# Altium PCB ESP32 V1.0.PcbDoc (part 1 of 2) (continued)
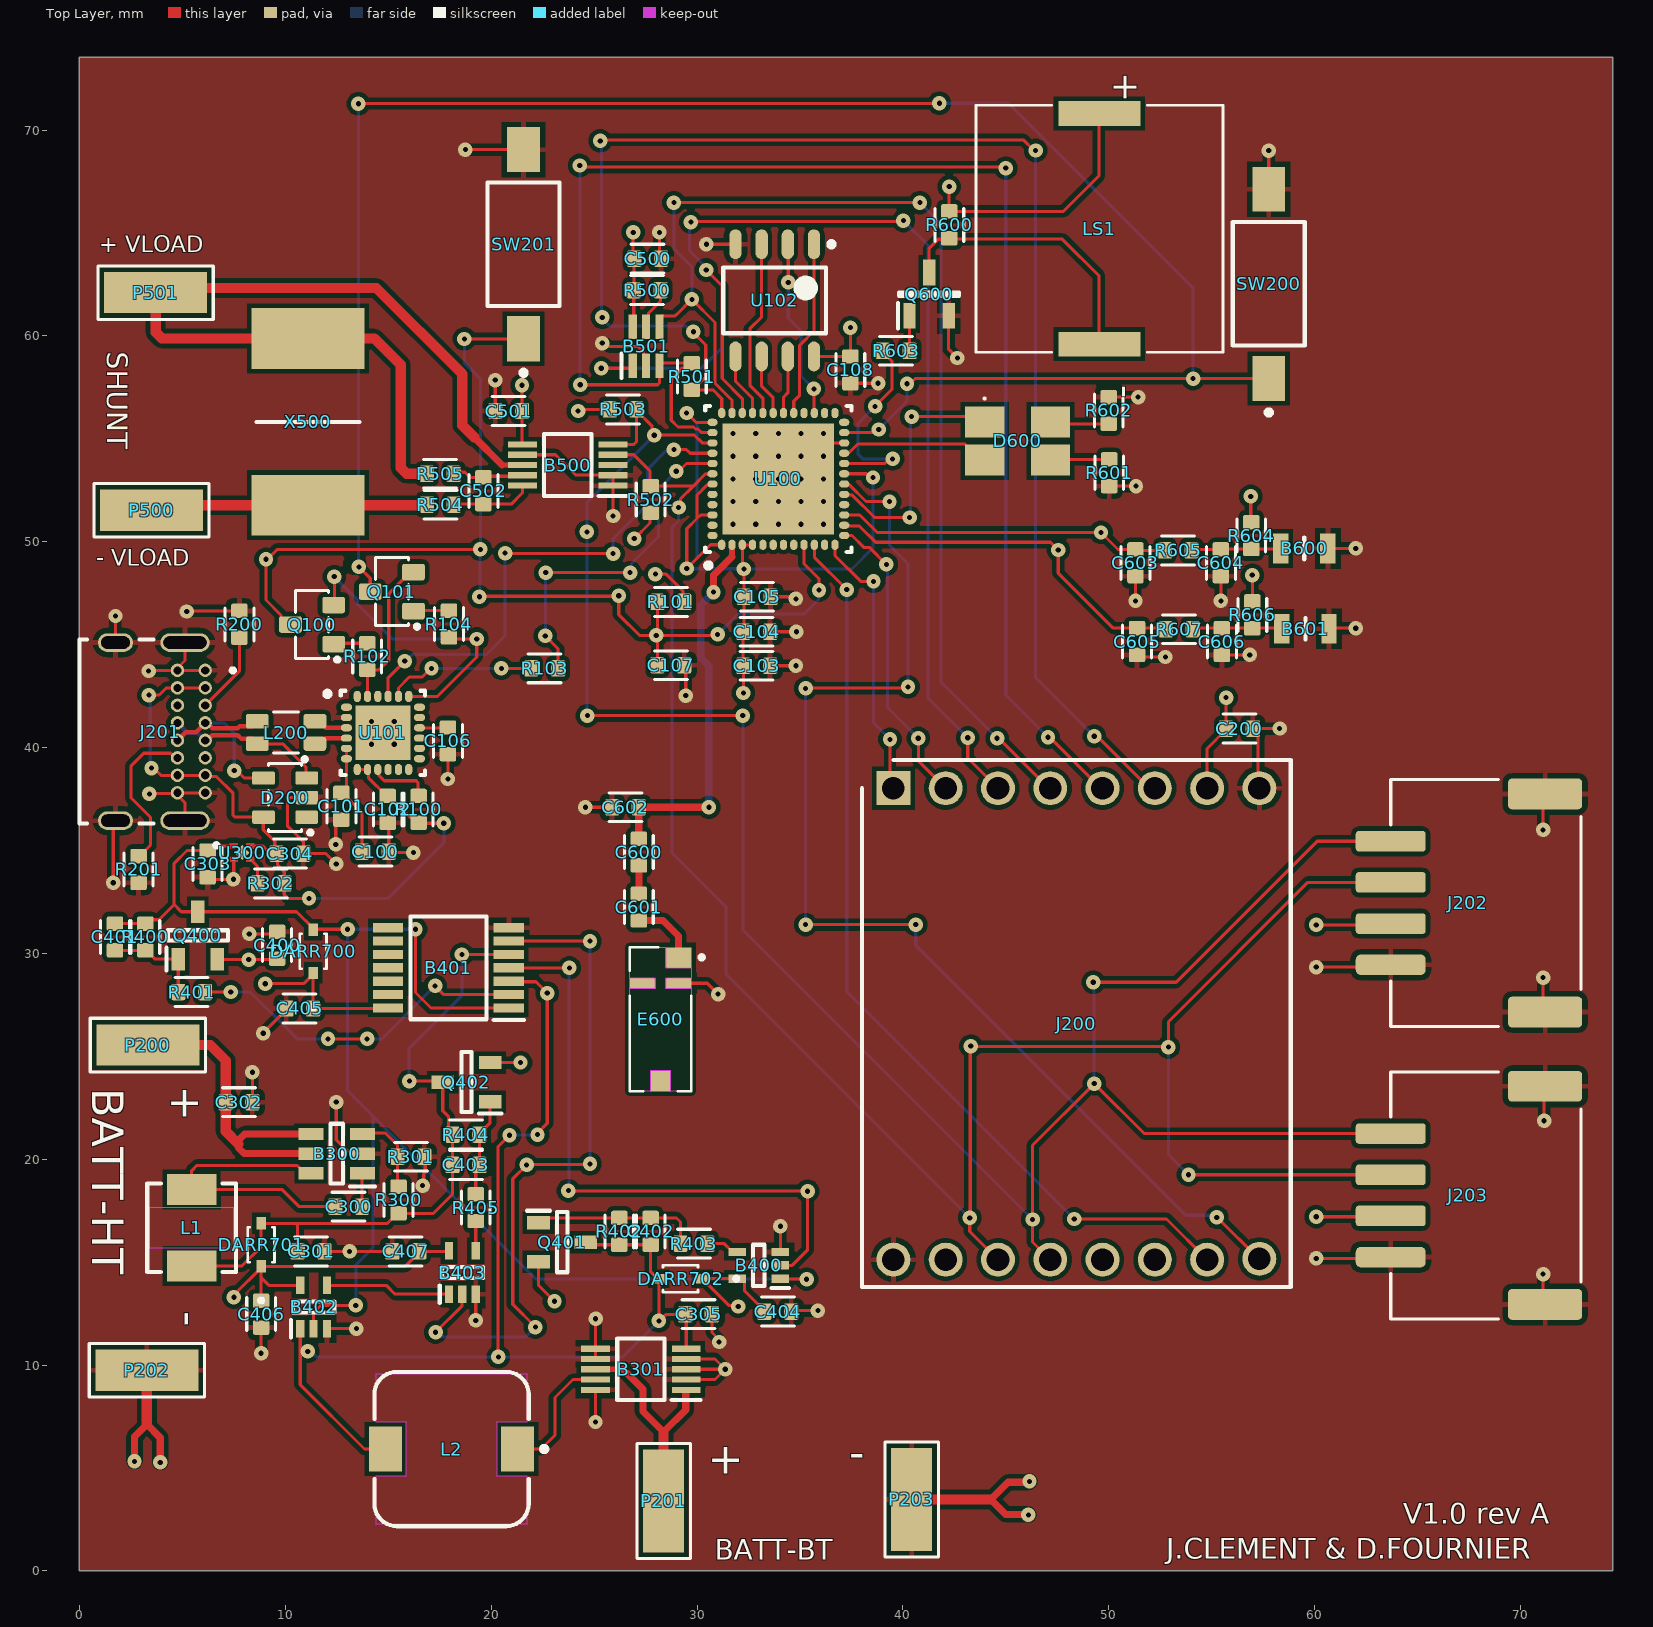
[diagram p0: Top Layer view]
## Design rules (kind name [scope] priority, off if disabled: settings) (continued)
DiffPairsRouting USB_D [InDifferentialPair('USB_D')] p5: maxlimit=0.127 minlimit=0.127 mostfreqgap=0.127 toplayer_minwidth=0.22 toplayer_maxwidth=0.22 toplayer_prefwidth=0.303 midlayer1_minwidth=0.136 midlayer1_maxwidth=0.136 midlayer1_prefwidth=0.109 midlayer2_minwidth=0.136 midlayer2_maxwidth=0.136 midlayer2_prefwidth=0.109 bottomlayer_minwidth=0.22 bottomlayer_maxwidth=0.22 bottomlayer_prefwidth=0.303 impedanceprofiledriven=TRUE impedanceprofileid={DF887FBB-0525-43FE-B3DD-DE2D58ABDB32} impedanceprofilevalue=90.000000 maxuncoupledlength=12.7
DiffPairsRouting USB_FLT [InDifferentialPair('USB_FLT')] p6: maxlimit=0.127 minlimit=0.127 mostfreqgap=0.127 toplayer_minwidth=0.22 toplayer_maxwidth=0.22 toplayer_prefwidth=0.303 midlayer1_minwidth=0.136 midlayer1_maxwidth=0.136 midlayer1_prefwidth=0.109 midlayer2_minwidth=0.136 midlayer2_maxwidth=0.136 midlayer2_prefwidth=0.109 bottomlayer_minwidth=0.22 bottomlayer_maxwidth=0.22 bottomlayer_prefwidth=0.303 impedanceprofiledriven=TRUE impedanceprofileid={DF887FBB-0525-43FE-B3DD-DE2D58ABDB32} impedanceprofilevalue=90.000000 maxuncoupledlength=12.7
MinimumSolderMaskSliver [All] p1: minsoldermaskwidth=0
PolygonConnect [All] p1: thpad.connectstyle=Relief thpad.reliefconductorwidth=0.254 thpad.reliefentries=4 thpad.polygonreliefangle="90 Angle" thpad.airgapwidth=0.254 smdpad.connectstyle=Relief smdpad.reliefconductorwidth=0.254 smdpad.reliefentries=4 smdpad.polygonreliefangle="90 Angle" smdpad.airgapwidth=0.254 via.connectstyle=Direct via.reliefconductorwidth=0.254 via.reliefentries=4 via.polygonreliefangle="90 Angle" via.airgapwidth=0.254
RoutingVias [All] p1: holewidth=0.711 width=1.27 viastyle="Through Hole" minholewidth=0.711 minwidth=1.27 maxholewidth=0.711 maxwidth=1.27
SilkToSolderMaskClearance [IsPad vs OnLayer('Top Layer')] p1: minsilkscreentomaskgap=0.102 clearancetoexposedcopper=TRUE
SolderMaskExpansion [All] p1: expansion=0.102 istentingtop=FALSE
Width "Schematic Width Constraint_1" [InNet('NetC600_1')] p1: maxlimit=0.36 minlimit=0.198 preferedwidth=0.296 toplayer_minwidth=0.36 toplayer_prefwidth=0.349 impedanceprofiledriven=TRUE impedanceprofileid={15CEEDF2-C7AA-4791-91C4-A7D5C5B134E5} impedanceprofilevalue=50.000000 minimp=50.000000 maximp=50.000000 favimp=50.000000
Width "Schematic Width Constraint" [InNet('NetC601_1')] p2: maxlimit=0.341 minlimit=0.248 preferedwidth=0.623 toplayer_minwidth=0.341 midlayer2_maxwidth=0.248 midlayer2_prefwidth=0.351 bottomlayer_minwidth=0.341 impedanceprofiledriven=TRUE impedanceprofileid={52FF2EAA-2482-4790-9ADB-94EA02F32BD3} impedanceprofilevalue=50.000000 minimp=50.000000 maximp=50.000000 favimp=50.000000
Width RF [(InNet('NetB200_1') OR InNet('NetC109_1'))] p3: maxlimit=0.349 minlimit=0.198 preferedwidth=0.341 toplayer_minwidth=0.254 toplayer_prefwidth=0.349 impedanceprofiledriven=TRUE impedanceprofileid={15CEEDF2-C7AA-4791-91C4-A7D5C5B134E5} impedanceprofilevalue=50.000000 minimp=50.000000 maximp=50.000000 favimp=50.000000 checkconnectedcopper=TRUE
Width [All] p4: maxlimit=0.5 minlimit=0.15 preferedwidth=0.15 minimp=50.000000 maximp=50.000000 favimp=50.000000
27 further rules are at their usual default settings.

## Classes and differential pairs
component class alim_logique_hard: DARR700 DARR701 DARR702
component class mesure_&_acquisition: B500 B501 C500 C501 C502 P500 P501 R500 R501 R502 R503 R504 R505 X500
component class logique_hardware: B400 B401 B402 B403 C400 C401 C402 C403 C404 C405 C406 C407 Q400 Q401 Q402 R400 R401 R402 R403 R404 R405
component class hmi: B600 B601 C600 C601 C602 C603 C604 C605 C606 D600 E600 LS1 Q600 R600 R601 R602 R603 R604 R605 R606 R607
component class alimentation: B300 B301 C300 C301 C302 C303 C304 C305 L1 L2 R300 R301 R302 U300
component class connecteurs: C200 D200 J200 J201 J202 J203 L200 P200 P201 P202 P203 R200 R201 SW200 SW201
component class microcontroleur: C100 C101 C102 C103 C104 C105 C106 C107 C108 Q100 Q101 R100 R101 R102 R103 R104 U100 U101 U102
differential pair USB_FLT: +USB_FLT_P -USB_FLT_N
differential pair USB_D: +USB_D_P -USB_D_N

## Components (designator, comment, footprint, x,y, rotation, side; value= is the part's Value field where it differs from the comment)
B300 "LMR50410Y3FQDBVRQ1" SOT95P280X145-6N 12.5,20.275 r180 top
B301 "TPS62056DGSG4" SOP50P490X110-10N 27.275,9.8 r180 top
B400 "MC74VHC1GT32DFT1G" SOT65P210X110-5N 33,14.85 r180 top
B401 "74VHC05FT" SOP65P640X120-14N 17.925,29.3 r180 top
B402 "MC74VHC1GT32DFT1G" SOT65P210X110-5N 11.375,12.825 r90 top
B403 "MC74VHC1GT32DFT1G" SOT65P210X110-5N 18.6,14.5 r90 top
B500 "INA237AIDGST" SOP50P490X110-10N 23.725,53.725 r180 top
B501 "TMP126DCKR" SOT65P210X110-6N 27.525,59.5 r90 top
B600 "NB12K00103JBB" RESC2212X50N 59.5,49.675 r0 top
B601 "NB12K00103JBB" RESC2212X50N 59.55,45.775 r0 top
C100 "1uF" CAPA_0603 14.375,34.95 r0 top
C101 "0.1uF" CAPA_0603 12.725,37.15 r270 top
C102 "1uF" CAPA_0603 14.975,37 r270 top
C103 "1uF" CAPA_0603 32.9,43.975 r0 top
C104 "0.1uF" CAPA_0603 32.9,45.625 r0 top
C105 "1nF" CAPA_0603 32.925,47.325 r0 top
C106 "4.7uF" CAPA_0603 17.9,40.325 r270 top
C107 "1uF" CAPA_0603 28.725,44 r0 top
C108 "0.1uF" CAPA_0603 37.45,58.35 r270 top
C200 "100nF" CAPA_0603 56.35,40.925 r0 top
C300 "0.1uF" CAPA_0603 13.075,17.7 r0 top
C301 "10uF" CAPA_0603 11.25,15.525 r0 top
C302 "2.2uF" CAPA_0603 7.75,22.775 r0 top
C303 "1uF" CAPA_0603 6.225,34.35 r270 top
C304 "1uF" CAPA_0603 10.225,34.85 r0 top
C305 "22uF" CAPA_0603 30.075,12.475 r0 top
C400 "5mF" CAPA_0603 9.6,30.4 r90 top
C401 "100nF" CAPA_0603 1.725,30.8 r270 top
C402 "100nF" CAPA_0603 27.75,16.5 r90 top
C403 "100nF" CAPA_0603 18.775,19.725 r0 top
C404 "100nF" CAPA_0603 33.925,12.6 r0 top
C405 "100nF" CAPA_0603 10.7,27.325 r180 top
C406 "100nF" CAPA_0603 8.825,12.475 r270 top
C407 "100nF" CAPA_0603 15.85,15.525 r180 top
C500 "0.1uF" CAPA_0603 27.6,63.75 r0 top
C501 "100nF" CAPA_0603 20.85,56.35 r180 top
C502 "100nF" CAPA_0603 19.625,52.475 r90 top
C600 "0.6pF" CAPA_0603 27.175,34.925 r270 top
C601 "0.9pF" CAPA_0603 27.175,32.25 r90 top
C602 "1.0pF" CAPA_0603 26.525,37.1 r180 top
C603 "47nF" CAPA_0603 51.3,48.975 r270 top
C604 "47nF" CAPA_0603 55.45,48.975 r270 top
C605 "47nF" CAPA_0603 51.375,45.15 r270 top
C606 "47nF" CAPA_0603 55.5,45.15 r270 top
D200 "824011" SOT23-5 9.99,37.57 r90 top
D600 "598-8610-207F" 5988610207F 45.575,54.9 r0 top
DARR700 "SD103AWS-7-F" SD103AWS-7-F 11.35,30.1 r90 top
DARR701 "SD103AWS-7-F" SD103AWS-7-F 8.825,15.85 r90 top
DARR702 "SD103AWS-7-F" SD103AWS-7-F 29.2,14.2 r180 top
E600 "NN03-320" XCVR_NN03-320 28.225,26.8 r90 top
J200 "825433-8" Connect-Mikrobus 39.54,38.025 r0 top
J201 "Connecteur USB" USB4085-GF-A 1.75,40.775 r270 top
J202 "114020164" 114020164 67.5,32.45 r90 top
J203 "114020164" 114020164 67.5,18.25 r90 top
L1 "3.3uH, 3.5A" WE-LHMI_4020 5.45,16.675 r270 top
L2 "10uH, 2A" WE-PD_7345 18.075,5.925 r180 top
L200 "Filtre en mode commun" WE-CNSW-1206 10.04,40.73 r180 top
LS1 "PKLCS1212E40A1-R1" SPKR_PKLCS1212E40A1-R1 49.55,65.2 r270 top
P200 "Plage CMS 10x5" "Plage CMS 10x5" 3.325,25.55 r180 top
P201 "Plage CMS 10x5" "Plage CMS 10x5" 28.375,3.4 r90 top
P202 "Plage CMS 10x5" "Plage CMS 10x5" 3.275,9.75 r0 top
P203 "Plage CMS 10x5" "Plage CMS 10x5" 40.425,3.475 r90 top
P500 "Plage CMS 10x5" "Plage CMS 10x5" 3.5,51.525 r180 top
P501 "Plage CMS 10x5" "Plage CMS 10x5" 3.7,62.1 r180 top
Q100 "SS8050-G" SS8050-G 11.3,45.975 r90 top
Q101 "SS8050-G" SS8050-G 15.175,47.575 r90 top
Q400 "FDV304P" SOT95P251X112-3N 5.75,30.875 r90 top
Q401 "FDV304P" SOT95P251X112-3N 23.45,15.975 r0 top
Q402 "FDV304P" SOT95P251X112-3N 18.8,23.75 r180 top
Q600 "2N7002KT1G" SOT96P237X111-3N 41.275,62.025 r90 top
R100 "4.7K" RES_0603 16.475,37 r270 top
R101 "10K" RES_0603 28.725,47.075 r0 top
R102 "10K" RES_0603 13.975,44.425 r270 top
R103 "510R" RES_0603 22.6,43.85 r0 top
R104 "10K" RES_0603 17.95,46 r270 top
R200 "5K1" RES_0603 7.77,45.99 r270 top
R201 "5K1" RES_0603 2.87,34.08 r90 top
R300 "51K" RES_0603 15.5,18.025 r270 top
R301 "22.1K" RES_0603 16.1,20.125 r180 top
R302 "100k" RES_0603 9.3,33.4 r0 top
R400 "100K" RES_0603 3.2,30.8 r90 top
R401 "10K" RES_0603 5.45,28.125 r180 top
R402 "100K" RES_0603 26.225,16.5 r270 top
R403 "10K" RES_0603 29.85,15.9 r180 top
R404 "100K" RES_0603 18.775,21.2 r180 top
R405 "10K" RES_0603 19.25,17.65 r90 top
R500 "10K" RES_0603 27.575,62.225 r180 top
R501 "10K" RES_0603 29.75,58.025 r90 top
R502 "2K" RES_0603 27.75,52.05 r90 top
R503 "2K" RES_0603 26.411,56.425 r0 top
R504 "10R" RES_0603 17.532,51.802 r180 top
R505 "10R" RES_0603 17.525,53.3 r180 top
R600 "1K" RES_0603 42.258,65.395 r90 top
R601 "150R" RES_0603 50.025,53.35 r90 top
R602 "150R" RES_0603 50,56.375 r270 top
R603 "1K" RES_0603 39.675,59.275 r0 top
R604 "10K" RES_0603 56.925,50.3 r90 top
R605 "5.1K" RES_0603 53.375,49.575 r0 top
R606 "10K" RES_0603 56.975,46.45 r90 top
R607 "5.1K" RES_0603 53.425,45.75 r0 top
SW200 "FSMSM" TECO-FSMSM-2_V 57.775,62.525 r90 top
SW201 "FSMSM" TECO-FSMSM-2_V 21.575,64.45 r90 top
U100 "ESP32-PICO-D4" PQFN50P700X700X104_HS-49N 33.95,53.05 r90 top
U101 "CP2104-F03-GM" PQFN50P400X400X80_HS-25N 14.745,40.71 r0 top
U102 "IS66WVS1M8BLL-104NLI" SOIC127P600X175-8N 33.775,61.725 r270 top
U300 "NCP167BMX330TBG" NCP167BMX330TBG 7.9,34.9 r0 top
X500 "PSR400ITQFF0L50" RESC10052X200N 11.1,55.825 r270 top

## Footprints (in the part's own frame and the unit in brackets; to place one, negate y for a bottom-side part, rotate by r counter-clockwise, add the part's x,y. Pads: shape width x height; smd on the part's side, far side on the other; paste and mask are expansions set on the pad)
114020164 [mm]
  rrect50% 1x3.4 smd: 1(-3,3.8)
  rrect30% 1x3.4 smd: 2(-1,3.8) 3(1,3.8) 4(3,3.8)
  rrect26% 1.5x3.6 smd: MP1(-5.3,-3.7) MP2(5.3,-3.7)
  silkscreen extent -6,-5.45 6,3.8, body extent -6.1,-5.59 5.9,4.59, height 5.2
5988610207F [mm]
  rect 1.9x1.5 smd: 1(-1.6,0.925) 2(1.6,0.925) 3(-1.6,-0.925) 4(1.6,-0.925)
  silkscreen extent -1.65,2 -1.55,2.1, body extent -1.6,-1.35 1.6,1.35, height 0.9
CAPA_0603 [mm]
  rrect25% 0.7x0.8 smd paste+0 mask+0.075: 1(-0.65,0) 2(0.65,0)
  silkscreen extent -0.8,-0.7 0.8,0.7, body extent -1,-0.4 1,0.4, height 0.9
Connect-Mikrobus [mm]
  rect 1.65x1.65 / inner round 1.65 / far side rect 1.65x1.65 hole 1.1: 1(0,0)
  round 1.65 hole 1.1: 2(2.54,0) 3(5.08,0) 4(7.62,0) 5(10.16,0) 6(12.7,0) 7(15.24,0) 8(17.78,0) 9(17.78,-22.86) 10(15.24,-22.9) 11(12.7,-22.9) 12(10.16,-22.9) 13(7.62,-22.9) 14(5.08,-22.9) 15(2.54,-22.9) 16(0,-22.9)
  silkscreen extent -1.52,-24.22 19.3,1.37, body extent -1.37,-24.18 19.14,1.28, height 6.7
NCP167BMX330TBG [mm] "Régulateurs de tension LDO LDO 700 MA ULTRA-LOW NOISE 3.3V"
  rect 0.1x0.1 smd paste-1 mask+0: 1(-0.405,0.325) 2(-0.405,-0.325) 3(0.405,-0.325) 4(0.405,0.325)
  rect 0.52x0.52 smd rot 45 mask+0.05: 5(0,0)
  Top Layer region: -0.21,0.345 -0.36,0.195 -0.6,0.195 -0.6,0.455 -0.21,0.455
  Top Layer region: -0.21,-0.345 -0.21,-0.455 -0.6,-0.455 -0.6,-0.195 -0.36,-0.195
  Top Layer region: 0.6,-0.455 0.21,-0.455 0.21,-0.345 0.36,-0.195 0.6,-0.195
  Top Layer region: 0.6,0.195 0.36,0.195 0.21,0.345 0.21,0.455 0.6,0.455
  silkscreen extent -1.35,0.25 -1.15,0.45, body extent -0.5,-0.5 0.5,0.5, height 0.38
"Plage CMS 10x5" [mm] "Plage CMS 10x5"
  rect 5x2 smd paste-1 mask+0.15: 1(0,0)
  silkscreen extent -2.8,-1.3 2.8,1.3
PQFN50P400X400X80_HS-25N [mm] "PQFN, 24-Leads, Body 4,00x4,00mm, Pitch 0,50mm, Thermal Pad 2,65x2,65mm, IPC Medium Density"
  oval 0.55x0.35 smd: 1(-1.775,1.25) 2(-1.775,0.75) 3(-1.775,0.25) 4(-1.775,-0.25) 5(-1.775,-0.75) 6(-1.775,-1.25) 13(1.775,-1.25) 14(1.775,-0.75) 15(1.775,-0.25) 16(1.775,0.25) 17(1.775,0.75) 18(1.775,1.25)
  oval 0.35x0.55 smd: 7(-1.25,-1.775) 8(-0.75,-1.775) 9(-0.25,-1.775) 10(0.25,-1.775) 11(0.75,-1.775) 12(1.25,-1.775) 19(1.25,1.775) 20(0.75,1.775) 21(0.25,1.775) 22(-0.25,1.775) 23(-0.75,1.775) 24(-1.25,1.775)
  rect 2.65x2.65 smd: 25(0,0)
  silkscreen extent -2.82,-2.05 2.05,2.05, body extent -2.05,-2.05 2.05,2.05, height 0.8
PQFN50P700X700X104_HS-49N [mm] "PQFN, 48-Leads, Body 7,00x7,00mm, Pitch 0,50mm, Thermal Pad 5,40x5,40mm, IPC Medium Density"
  oval 0.5x0.35 smd: 1(-3.2,2.75) 2(-3.2,2.25) 3(-3.2,1.75) 4(-3.2,1.25) 5(-3.2,0.75) 6(-3.2,0.25) 7(-3.2,-0.25) 8(-3.2,-0.75) 9(-3.2,-1.25) 10(-3.2,-1.75) 11(-3.2,-2.25) 12(-3.2,-2.75) 25(3.2,-2.75) 26(3.2,-2.25) 27(3.2,-1.75) 28(3.2,-1.25) 29(3.2,-0.75) 30(3.2,-0.25) 31(3.2,0.25) 32(3.2,0.75) 33(3.2,1.25) 34(3.2,1.75) 35(3.2,2.25) 36(3.2,2.75)
  oval 0.35x0.5 smd: 13(-2.75,-3.2) 14(-2.25,-3.2) 15(-1.75,-3.2) 16(-1.25,-3.2) 17(-0.75,-3.2) 18(-0.25,-3.2) 19(0.25,-3.2) 20(0.75,-3.2) 21(1.25,-3.2) 22(1.75,-3.2) 23(2.25,-3.2) 24(2.75,-3.2) 37(2.75,3.2) 38(2.25,3.2) 39(1.75,3.2) 40(1.25,3.2) 41(0.75,3.2) 42(0.25,3.2) 43(-0.25,3.2) 44(-0.75,3.2) 45(-1.25,3.2) 46(-1.75,3.2) 47(-2.25,3.2) 48(-2.75,3.2)
  rect 5.4x5.4 smd: 49(0,0)
  silkscreen extent -4.32,-3.55 3.55,3.55, body extent -3.55,-3.55 3.55,3.55, height 1.04
RES_0603 [mm]
  rrect25% 0.7x0.8 smd paste+0 mask+0.075: 1(-0.65,0) 2(0.65,0)
  silkscreen extent -0.8,-0.7 0.8,0.7, body extent -1,-0.4 1,0.4, height 0.45
RESC2212X50N [mm]
  rect 0.75x1.45 smd: 1(-1.15,0) 2(1.15,0)
  silkscreen extent 0,-0.53 0,0.53, body extent -1.07,-0.63 1.07,0.63, height 0.5
RESC10052X200N [mm]
  rect 2.95x5.5 smd: 1(-4.05,0) 2(4.05,0)
  silkscreen extent 0,-2.5 0,2.5, body extent -5,-2.6 5,2.6, height 2
SD103AWS-7-F [mm]
  rect 0.6x0.46 smd: 1(-1.05,0) 2(1.05,0)
  silkscreen extent -2.81,-0.65 0.85,0.65, body extent -1.25,-0.65 1.25,0.65, height 1.2
SOIC127P600X175-8N [mm] "SOIC, 8-Leads, Body 4,90x3,90mm, Pitch 1,27mm, IPC Medium Density"
  oval 1.45x0.6 smd: 1(-2.725,1.905) 2(-2.725,0.635) 3(-2.725,-0.635) 4(-2.725,-1.905) 5(2.725,-1.905) 6(2.725,-0.635) 7(2.725,0.635) 8(2.725,1.905)
  silkscreen extent -2.85,-2.5 1.6,2.88, body extent -3,-2.5 3,2.5, height 1.75
SOP50P490X110-10N [mm]
  rect 1.4x0.3 smd: 1(-2.2,1) 2(-2.2,0.5) 3(-2.2,0) 4(-2.2,-0.5) 5(-2.2,-1) 6(2.2,-1) 7(2.2,-0.5) 8(2.2,0) 9(2.2,0.5) 10(2.2,1)
  silkscreen extent -2.9,-1.5 1.15,1.5, body extent -2.46,-1.5 2.46,1.5, height 1.06
SOP65P640X120-14N [mm]
  rect 1.475x0.45 smd: 1(-2.938,1.95) 2(-2.938,1.3) 3(-2.938,0.65) 4(-2.938,0) 5(-2.938,-0.65) 6(-2.938,-1.3) 7(-2.938,-1.95) 8(2.938,-1.95) 9(2.938,-1.3) 10(2.938,-0.65) 11(2.938,0) 12(2.938,0.65) 13(2.938,1.3) 14(2.938,1.95)
  silkscreen extent -3.67,-2.5 1.85,2.52, body extent -3.1,-2.75 3.3,2.75, height 1.1
SOT23-5 [mm]
  rrect25% 0.65x1.1 smd paste+0 mask+0.075: 1(-0.95,-1.05) 2(0,-1.05) 3(0.95,-1.05) 4(0.95,1.05) 5(-0.95,1.05)
  silkscreen extent -1.77,-1.3 1.65,0.8, body extent -1.45,-1.6 1.45,1.6, height 1.21
SOT65P210X110-5N [mm]
  rect 0.85x0.4 smd: 1(-1.05,0.65) 2(-1.05,0) 3(-1.05,-0.65) 4(1.05,-0.65) 5(1.05,0.65)
  silkscreen extent -1.48,-1 0.28,1.1, body extent -0.95,-1 1.15,1, height 1.1
SOT65P210X110-6N [mm]
  rect 1.2x0.4 smd: 1(-0.95,0.65) 2(-0.95,0) 3(-0.95,-0.65) 4(0.95,-0.65) 5(0.95,0) 6(0.95,0.65)
  silkscreen extent -1.55,1.2 -0.35,1.2, body extent -1.05,-1 1.05,1, height 1
SOT95P251X112-3N [mm]
  rect 1.1x0.65 smd: 1(-1.15,0.95) 2(-1.15,-0.95) 3(1.15,0)
  silkscreen extent -1.7,-1.46 0.25,1.53, body extent -1.25,-1.46 1.25,1.46, height 1.12
SOT95P280X145-6N [mm]
  rect 1.2x0.6 smd: 1(-1.25,0.95) 2(-1.25,0) 3(-1.25,-0.95) 4(1.25,-0.95) 5(1.25,0) 6(1.25,0.95)
  silkscreen extent -1.85,-1.45 0.3,1.6, body extent -1.4,-1.45 1.4,1.45, height 1.2
SOT96P237X111-3N [mm]
  rect 1.25x0.6 smd: 1(-1.05,0.955) 2(-1.05,-0.955) 3(1.05,0)
  silkscreen extent -1.68,-1.46 0.08,1.51, body extent -1.18,-1.46 1.18,1.46, height 1.11
SPKR_PKLCS1212E40A1-R1 [mm]
  rect 1.2x4 smd: N(5.6,0) P(-5.6,0)
  silkscreen extent -6,-6 6,6, body extent -6,-6 6,6, height 3
SS8050-G [mm]
  rrect25% 0.8x1.1 smd paste+0 mask+0.075: 1(-0.95,-1.05) 2(0.95,-1.05) 3(0,1.05)
  silkscreen extent -1.77,-1.3 1.65,0.8, body extent -1.5,-1.3 1.5,1.3, height 1.1
TECO-FSMSM-2_V [mm] "SMD, 2-Leads, Body 6x3.5mm, Pitch 9.19mm"
  rect 2.2x1.6 smd: 1(-4.595,0)
  rect 2.18x1.6 smd: 2(4.595,0)
  silkscreen extent -6.37,-1.75 3,1.75, body extent -4.98,-1.75 4.98,1.75, height 4.4
USB4085-GF-A [mm]
  round 0.65 hole 0.4: A1(-2.975,4.36) A4(-2.125,4.36) A5(-1.275,4.36) A6(-0.425,4.36) A7(0.425,4.36) A8(1.275,4.36) A9(2.125,4.36) A12(2.975,4.36) B1(2.975,3.01) B4(2.125,3.01) B5(1.275,3.01) B6(0.425,3.01) B7(-0.425,3.01) B8(-1.275,3.01) B9(-2.125,3.01) B12(-2.975,3.01)
  oval 0.9x1.7 hole 0.6 slot 1.4 at 90 deg: S1(-4.325,0) S2(4.325,0)
  oval 0.9x2.4 hole 0.6 slot 2.1 at 90 deg: S3(-4.325,3.38) S4(4.325,3.38)
  silkscreen extent -4.47,-1.74 4.47,5.8, body extent -4.47,-4.25 4.47,4.92, height 3.46
WE-CNSW-1206 [mm]
  rrect42% 1.1x0.7 smd paste+0 mask+0.075: 1(-1.4,0.55)
  rrect28% 1.1x0.7 smd paste+0 mask+0.075: 2(1.4,0.55) 3(1.4,-0.55) 4(-1.4,-0.55)
  silkscreen extent -1,-1 0.6,1.4, body extent -1.8,-1 1.8,1, height 2.1
WE-LHMI_4020 [mm] "SMT Power Inductor, 2-Leads, body 4.06x4.06mm"
  rect 1.5x2.4 smd: 1(-1.85,0) 2(1.85,0)
  Top Layer keep-out region: -1,2.03 1,2.03 1,-2.03 -1,-2.03
  silkscreen extent -2.15,-2.15 2.15,2.15, body extent -2.22,-2.03 2.23,2.03, height 1.8
WE-PD_7345 [mm] "SMT Shielded Power Inductor, 2-leads, body 7.3x7.3mm"
  rect 1.6x2.2 smd: 1(-3.2,0) 2(3.2,0)
  Top Layer keep-out region: -3.65,-3.65 -3.65,-1.3 -2.2,-1.3 -2.2,1.3 -3.65,1.3 -3.65,3.65 3.65,3.65 3.65,1.3 2.2,1.3 2.2,-1.3 3.65,-1.3 3.65,-3.65
  silkscreen extent -4.63,-3.75 3.75,3.75, body extent -3.65,-3.65 3.65,3.65, height 3.91
XCVR_NN03-320 [mm]
  rect 1x1 smd: 1(-3,0)
  rect 0.5x1.25 smd: 2(1.75,-0.875) 4(1.75,0.875)
  rect 1x1.25 smd: 3(3,-0.875)
  Keep-Out Layer region: 3.5,-0.25 2.5,-0.25 2.5,-1.5 2,-1.5 2,-0.25 1.5,-0.25 1.5,-1.5 -3.5,-1.5 -3.5,-0.5 -2.5,-0.5 -2.5,0.5 -3.5,0.5 -3.5,1.5 1.5,1.5 1.5,0.25 2,0.25 2,1.5 3.5,1.5
  silkscreen extent -3.5,-2.1 3.5,1.5, body extent -3.5,-1.5 3.5,1.5, height 2.02

## Part data
B300: "Régulateurs de tension de commutation Automotive qualified SIMPLE SWITCHER 4-V to 36-V, 1-A synchronous step-down converter 6-SOT-23 -40 to 150", Manufacturer_Name="Texas Instruments", Mouser Part Number=595-R50410Y3FQDBVRQ1, Manufacturer_Part_Number=LMR50410Y3FQDBVRQ1
B301: "TEXAS INSTRUMENTS - TPS62056DGSG4 - Synchronous Buck (Step Down) Switching Regulator, Fixed, 2.7V-10Vin, 3.3V/0.8A out, 850kHz, VSSOP-10", Manufacturer_Name="Texas Instruments", Mouser Part Number=595-TPS62056DGSG4, Manufacturer_Part_Number=TPS62056DGSG4
B400 B402 B403: "Single 2-Input OR Gate, TTL Level", Manufacturer_Name=onsemi, Mouser Part Number=863-C74VHC1GT32DFT1G, Manufacturer_Part_Number=MC74VHC1GT32DFT1G
B401: "Logic Gates CMOS LOGIC IC INVERTER", Manufacturer_Name=Toshiba, Mouser Part Number=757-74VHC05FT, Manufacturer_Part_Number=74VHC05FT
B500: "Current Sense Amplifiers 85-V, 16-bit, I2C output current/voltage/power monitor with alert 10-VSSOP -40 to 125", Manufacturer_Name="Texas Instruments", Mouser Part Number=595-INA237AIDGST, Manufacturer_Part_Number=INA237AIDGST
B501: "Board Mount Temperature Sensors +/-0.25 C SPI temperature sensor with 175 C operation, CRC and slew-rate alert", Manufacturer_Name="Texas Instruments", Mouser Part Number=595-TMP126DCKR, Manufacturer_Part_Number=TMP126DCKR
B600 B601: "NTC SMD Thermistor, NB12K, 10K, 5% AVX 10k 0805 Protection NTC Thermistor, 5s, 2 x 1.25 x 1.3mm", Manufacturer_Name="Kyocera AVX", Mouser Part Number=581-NB12K00103JBB, Arrow Part Number=NB12K00103JBB, Arrow Price/Stock=https://www.arrow.com/en/products/nb12k00103jbb/avx, Datasheet Link=https://datasheet.datasheetarchive.com/originals/distributors/Datasheets-DGA6/551314.pdf, Geometry.Height=0.5mm, Manufacturer_Part_Number=NB12K00103JBB, Mouser Price/Stock=https://www.mouser.co.uk/ProductDetail/AVX/NB12K00103JBB/?qs=4%252B6%252BTdINQeDPvI%252BQUQjJ3Q%3D%3D
C100 C101 C102 C103 C104 C105 C106 C107 C108 C200 C300 C301 C302 C303 C304 C305 C400 C401 C402 C403 C404 C405 C406 C407 C500 C501 C502 C600 C601 C602 C603 C604 C605 C606: library part Capacitor
D200: "TVS Diode Array WE-TVS, High Speed Series  - Low capazity - No leakage current - Low clamping voltage - high ESD voltage protection  -- USB 1.0 - 2.0"
D600: "Standard LEDs - SMD Red/Green WC 80/50mcd 645/570nm", Manufacturer_Name=Dialight, Mouser Part Number=645-598-8610-207F, Arrow Part Number=598-8610-207F, Arrow Price/Stock=https://www.arrow.com/en/products/598-8610-207f/dialight?region=nac, Datasheet Link=https://media.digikey.com/pdf/Data%20Sheets/Dialight%20PDFs/598%20Series%201210%20Pkg%20Bi-Color.pdf, Geometry.Height=0.8mm, Manufacturer_Part_Number=598-8610-207F, Mouser Price/Stock=https://www.mouser.co.uk/ProductDetail/Dialight/598-8610-207F?qs=7JStj%2FjQ2SFuCjosqwklHQ%3D%3D
DARR700 DARR701 DARR702: "Diode Array 3 Independent Schottky 40V 175mA Surface Mount 6-TSSOP, SC-88, SOT-363"
E600: "Dual port antenna booster for GNSS, Bluetooth, 5G and UWB (1561 - 1606MHz, 2400 - 2500MHz, 3400 - 3800MHz, 3100 - 4800MHz and 6000 - 10600 MHz), signal booster", Manufacturer_Name=Ignion, Mouser Part Number=128-NN03-320, Manufacturer_Part_Number=NN03-320
J200: library part Connect-Mikrobus, "Headers & Wire Housings 8P double for connection mikrobus", Manufacturer_Name="TE Connectivity", Mouser Part Number=571-825433-8, Manufacturer_Part_Number=825433-8
J201: library part USB4085-GF-A, "Connecteurs USB USB Type C, 2.0, Rec, TH , G/F, RA , Top Mnt, T & R"
J202 J203: "Seeed Studio Accessories Grove Female Header - SMD-4P-2.0mm-90D-20Pcs", Manufacturer_Name="Seeed Studio", Mouser Part Number=713-114020164, Manufacturer_Part_Number=114020164
L1: library part 74437324033, "WE-LHMI SMT Power Inductor, size 4020, 3.3uH, 3.5A, 76mOhm", Case/Size Code=4020, DC Resistance=69mOhm, DC Resistance Max=76mOhm, Inductance=3.3uH, Manufacturer="Wurth Elektronik", Operating Temperature Max=125°C, Operating Temperature Min=-40°C, Performance Rated Current=3.5A, Saturation Current @ 10%=2.75A, Saturation Current @ 30%=5.45A, Self Resonant Frequency=40MHz, Category="Power Inductors", ComponentLink1Description="Website Link", ComponentLink1URL=https://www.we-online.com/redexpert/article/74437324033?ad, ComponentLink2Description="Datasheet Link", ComponentLink2URL=https://www.we-online.com/redexpert/spec/74437324033?ad, Height=1.8mm, Length=4.06mm, Manufacturer Part Number=74437324033, Match Code=WE-LHMI, Mount="Surface Mount", Packaging="Tape and Reel", Width=4.06mm
L2: library part 74477710, "WE-PD SMT Power Inductor, size 7345, 10uH, 2A, 49mOhm", Case/Size Code=7345, DC Resistance=45mOhm, DC Resistance Max=49mOhm, Inductance=10uH, Manufacturer="Wurth Elektronik", Operating Temperature Max=125°C, Operating Temperature Min=-40°C, Rated Current=2A, Saturation Current=2.6A, Self Resonant Frequency=26MHz, Category="Power Inductors", ComponentLink1Description="Website Link", ComponentLink1URL=https://www.we-online.com/redexpert/article/74477710?ad, ComponentLink2Description="Datasheet Link", ComponentLink2URL=https://www.we-online.com/redexpert/spec/74477710?ad, Height=4.5mm, Length=7.3mm, Manufacturer Part Number=74477710, Match Code=WE-PD, Mount="Surface Mount", Packaging="Tape and Reel", Type=Standard, Width=7.3mm
L200: library part 744232090, "Bobines / filtres en mode commun WE-CNSW 1206 370mA 90Ohm 100MHz AECQ200"
LS1: "Buzzers Transducer, Externally Driven Piezo 1.5V 2kHz 70dB @ 1.5V, 10cm Surface Mount Solder Pads", Package=None, Availability=Unavailable, MF="Murata Electronics", MP=PKLCS1212E40A1-R1, Price=None
P200 P201 P202 P203: library part "Plage CMS 10x5_1", "Plage de report CMS 10x5mm", Footprint_statut=ok, PN=L30
P500 P501: "Plage de report CMS 10x5mm", Footprint_statut=ok, PN=L30
Q100 Q101: "Bipolar Transistors - BJT NPN TRANSISTOR 1.5A 40V"
Q400 Q401 Q402: "ON SEMICONDUCTOR - FDV304P - Power MOSFET, P Channel, 25 V, 460 mA, 1.22 ohm, SOT-23, Surface Mount", Manufacturer_Name=onsemi, Mouser Part Number=512-FDV304P, Arrow Part Number=FDV304P, Arrow Price/Stock=https://www.arrow.com/en/products/fdv304p/on-semiconductor?utm_currency=USD&region=europe, Datasheet Link=https://componentsearchengine.com/Datasheets/2/FDV304P.pdf, Geometry.Height=1.12mm, Manufacturer_Part_Number=FDV304P, Mouser Price/Stock=https://www.mouser.co.uk/ProductDetail/onsemi-Fairchild/FDV304P?qs=FOlmdCx%252BAA1BAlCQZu888w%3D%3D
Q600: "MOSFET N-Ch 60V 380mA Small Signal SOT23 ON Semiconductor 2N7002KT1G N-channel MOSFET Transistor, 380 mA, 60 V, 3-Pin SOT-23", Manufacturer_Name=onsemi, Mouser Part Number=863-2N7002KT1G, Arrow Part Number=2N7002KT1G, Arrow Price/Stock=https://www.arrow.com/en/products/2n7002kt1g/on-semiconductor?utm_currency=USD&region=nac, Datasheet Link=http://www.onsemi.com/pub/Collateral/2N7002K-D.PDF, Geometry.Height=1.11mm, Manufacturer_Part_Number=2N7002KT1G, Mouser Price/Stock=https://www.mouser.co.uk/ProductDetail/onsemi/2N7002KT1G?qs=Jh7l0IbPjifUiTytu%252BGGDQ%3D%3D
R100 R101 R102 R103 R104 R200 R201 R300 R301 R302 R400 R401 R402 R403 R404 R405 R500 R501 R502 R503 R504 R505 R600 R601 R602 R603 R604 R605 R606 R607: library part Resistor
SW200 SW201: library part CMP-2000-07511-1, "FSMSM Push Button Switch, 50 mA, -35 to 85 degC, 2-Pin SMD, RoHS, Bulk", Case\/Package=SMD/SMT, Contact Current Rating=50mA, Contact Resistance=100mOhm, Manufacturer="TE Connectivity", Max Operating Temperature=85degC, Max Voltage Rating (DC)=12V, Min Operating Temperature=-35degC, Operating Force=180gf, Package Description="2-Pin Surface Mount Device, Body 6 x 3.5 mm, Pitch 9.19 mm", Package Quantity=1000, Voltage Rating (DC)=24V, Actuator Length=1.07mm, Actuator Material=Polyamide, Contact Material=Brass, Contact Plating=Silver, Current Rating=50mA, Datasheet URL=http://www.te.com/commerce/DocumentDelivery/DDEController?Action=showdoc&DocId=Customer+Drawing%7F1437566-3%7FC2%7Fpdf%7FEnglish%7FENG_CD_1437566-3_C2_1437566_3_1_c.dwg.pdf%7F1437566-3, Datasheet Version="Rev. C2, 08/2014", Electrical Life=20000Cycles, ELV=Compliant, Illumination Type=Illuminated, Lead Free=LeadFree, Manufacturer URL=http://www.te.com/, Mechanical Life=20000Cycles, Mount=SurfaceMount, Mounting Technology=SurfaceMount, Orientation=Straight, Package Reference=FSMSM, Packaging=LoosePiece, REACH SVHC=Unknown, RoHSCompliant=true, Switch Travel=0.25mm, Termination=GullWing, Throw Configuration=SPST
U100: library part ESP32, "Système RF sur puce - SoC SIP module ESP32 with 4MByte Flash, Dual Core MCU, Wi-Fi & Bluetooth Combo, LGA48-pin, 7*7mm", Manufacturer 1="Espressif Systems", Supplier Part Number 1=1904-1029-1-ND, Manufacturer Part Number 1=ESP32-PICO-D4, Supplier 1=Digi-Key
U101: library part USBBridge, "USB Bridge, USB to UART USB 2.0 UART Interface 24-QFN (4x4)", Manufacturer 1="Silicon Labs", Manufacturer Part Number 1=CP2104-F03-GM, Supplier 1="Arrow Electronics", Supplier Part Number 1=CP2104-F03-GM
U102: library part SRAM, "SRAM 8Mb, SerialRAM, 2.7V-3.6V, 104MHz, 8 pin SOIC 150 mil, RoHS", Manufacturer 1=ISSI, Supplier Part Number 1=706-IS66WVS1M8BLL-104NLI-ND, Manufactuer Part Number 1=IS66WVS1M8BLL-104NLI, Supplier 1=Digi-Key
U300: "Régulateurs de tension LDO LDO 700 MA ULTRA-LOW NOISE 3.3V"
X500: "ROHM - PSR400ITQFF0L50 - SMD Current Sense Resistor, 500 ohm, PSR Series, 3921 [1052 Metric], 4 W, +/- 1%, Metal Strip", Manufacturer_Name="ROHM Semiconductor", Mouser Part Number=755-PSR400ITQFF0L50, Datasheet Link=https://componentsearchengine.com/Datasheets/2/PSR400ITQFF0L50.pdf, Geometry.Height=2mm, Manufacturer_Part_Number=PSR400ITQFF0L50, Mouser Price/Stock=https://www.mouser.co.uk/ProductDetail/ROHM-Semiconductor/PSR400ITQFF0L50?qs=493kPxzlxfLaT1w5Mo%252BtHg%3D%3D

## Via types
v1: diameter 0.7, hole 0.25, Top Layer to Bottom Layer, 189 vias
v2: diameter 0.5, hole 0.25, Top Layer to Bottom Layer, 29 vias

## Nets (pads, with @x,y where several pads share a name; then routed paths per layer and width w, separated by ;. In a path a pad name is that pad's centre, name@x,y a point inside that pad or via, vN(x,y) a via of type N, cw(c..) or ccw(c..) an arc to the next point about the centre after c; other vN are vias at no path point)
3V3: B500.6 B501.6 C103.1 C104.1 C105.1 C108.1 C200.1 C400.1 C500.1 C501.1 J200.7 J202.2 J203.2 LS1.P Q400.2 Q401.2 Q402.2 R101.2 R500.2 R502.1 R503.1 R600.2 R604.2 R606.2 U100.1 U100.3 U100.4 U100.19 U100.37 U100.43 U100.46 U102.8 | length 88.9
  Top Layer w0.15: Q400.2@6.7,29.725 6.725,29.7 v1(8.225,29.7) 9.55,29.7 C400.1@9.6,29.75 ; Q402.2@19.95,24.7 v1(21.425,24.7) ; v1(21.5,57.6) C501.1@21.5,56.35 21.5,54.75 B500.6@21.525,54.725 ; Q401.2@22.3,15.025 22.3,13.875 v1(23.075,13.1) ; v1(24.225,56.35) 24.3,56.425 R503.1@25.761,56.425 ; B501.6@26.875,60.45 26.925,60.5 R500.2@26.925,62.225 26.938,62.237 26.938,63.737 C500.1@26.95,63.75 26.9,63.8 v1(26.9,65.025) ; v1(26.95,50.15) 27.713,50.913 27.713,51.363 R502.1@27.75,51.4 ; v1(27.975,48.425) 28.5,48.425 29.313,47.612 29.313,47.137 R101.2@29.375,47.075 ; v1(29.493,56.254) 29.947,55.8 U100.37@30.75,55.8 ; U100.46@30.75,51.3 30.175,51.3 30,51.125 ; U100.43@30.75,52.8 30.712,52.762 30.503,52.762 30,52.259 30,51.125 ; U100.1@31.2,49.85 31.198,49.852 30.652,49.852 v1(29.5,48.7) 29.5,50.625 30,51.125 ; v1(32.25,42.65) C103.1@32.25,43.975 32.225,44 32.225,45.6 C104.1@32.25,45.625 32.275,45.65 C105.1@32.275,47.325 v1(32.275,48.675) 32.2,48.75 U100.3@32.2,49.85 U100.4@32.7,49.85 ; U102.8@35.68,59 C108.1@37.45,59 v1(37.45,60.4) ; U100.19@37.15,53.3 38.226,53.3 38.405,53.121 v1(38.55,53.121) ; v1(42.25,67.25) 42.25,66.053 R600.2@42.258,66.046 47.796,66.046 49.525,67.775 LS1.P@49.525,70.875 ; J200.7@54.78,38.025 54.78,39.955 55.7,40.875 C200.1@55.7,40.925 ; C200.1@55.7,40.925 v1(55.7,42.425) ; v1(56.9,52.2) 56.9,50.975 R604.2@56.925,50.95 ; R606.2@56.975,47.1 v1(56.975,48.375) ; v1(60.08,17.21) 63.66,17.21 J203.2@63.7,17.25 ; v1(60.08,31.385) 63.635,31.385 J202.2@63.7,31.45
  Bottom Layer w0.15: v1(29.493,56.254) 30,55.747 30,49.2 v1(29.5,48.7) 29.512,48.687 32.263,48.687 v1(32.275,48.675) 37.525,48.675 38.55,49.7 v1(38.55,53.121)
3V45: C100.1 C101.1 U101.5 U101.6 | length 5.6
  Top Layer w0.15: U101.5@12.97,39.96 U101.6@12.97,39.46 12.97,38.045 C101.1@12.725,37.8 12.775,37.8 13.725,36.85 C100.1@13.725,34.95